# KiCad board Wish-Ender.kicad_pcb
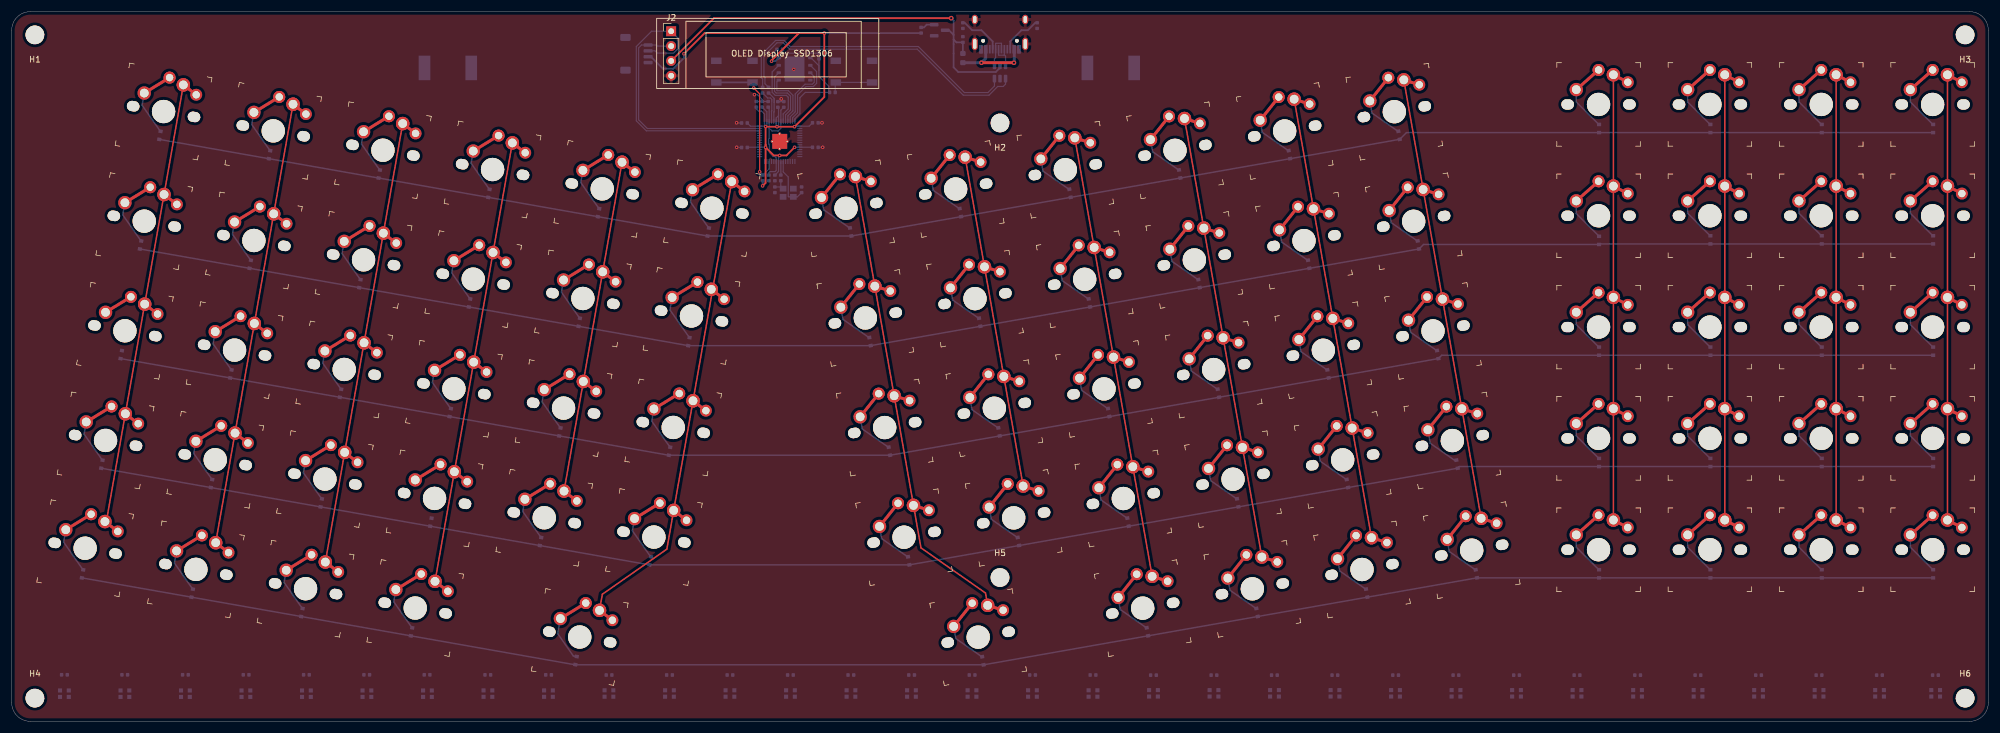
[diagram p0: board, top side]
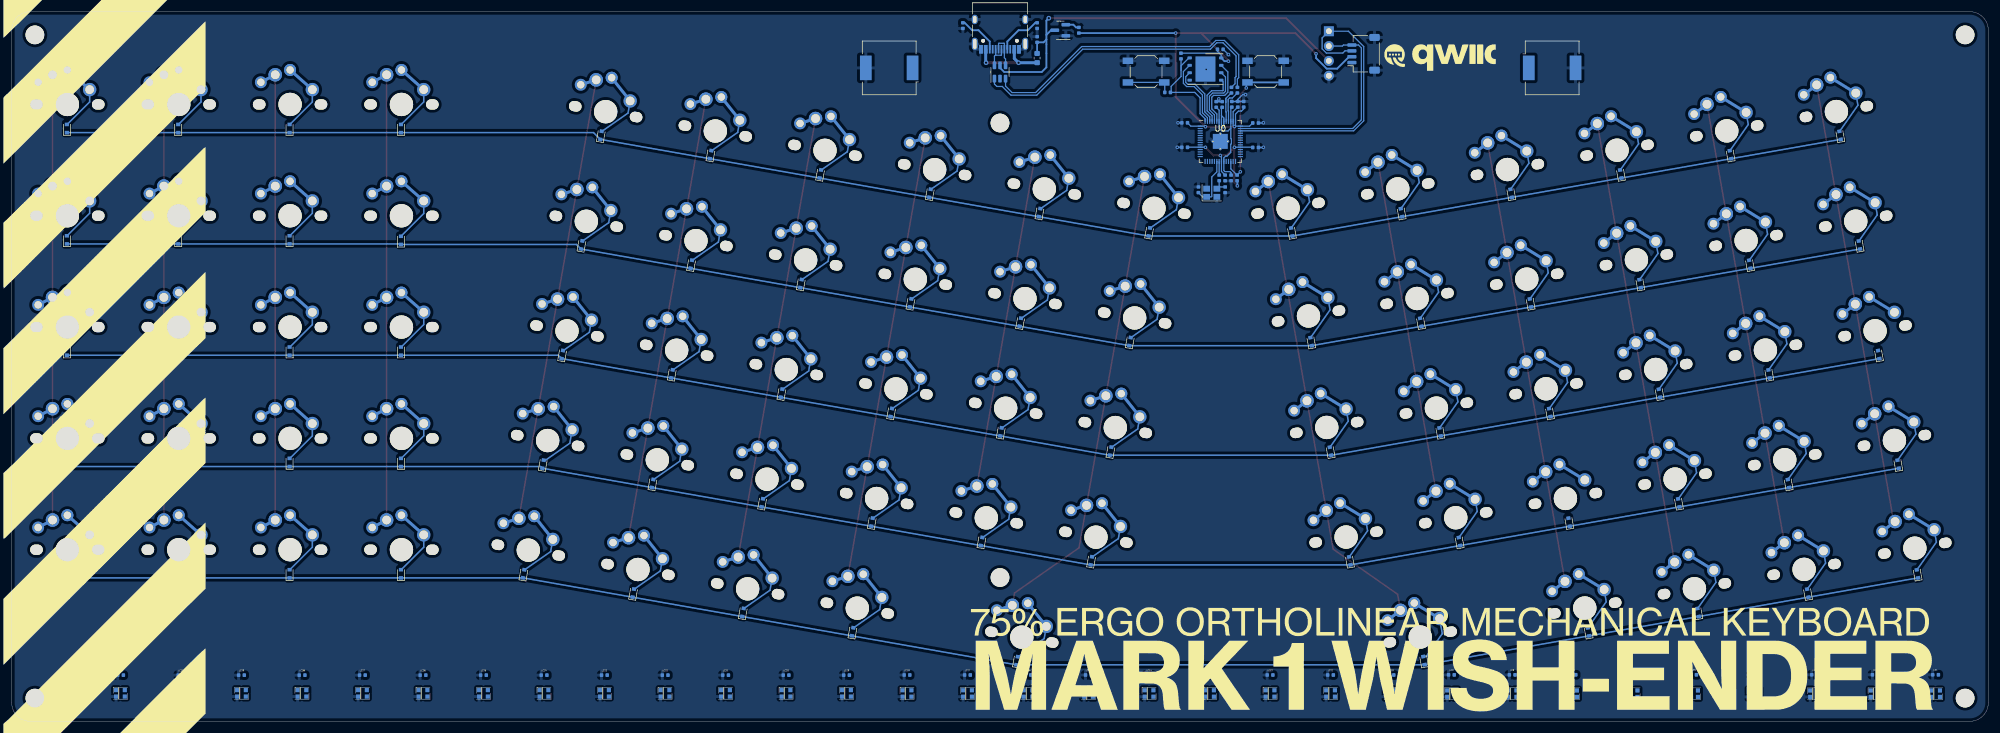
[diagram p1: board, bottom side, seen from below]

Outline 338.14 x 121.44 mm; copper layers: Top, Bottom. Coordinates in mm from the lower left corner of the outline.
Outline path: 0,118.27 0,3.17 arc(0.93,0.93) 3.18,0 334.96,0 arc(337.21,0.93) 338.14,3.17 338.14,118.27 arc(337.21,120.51) 334.96,121.44 3.18,121.44 arc(0.93,120.51) 0,118.27
Stack: Top 0.035mm / dielectric 1.51mm FR4 er 4.5 / Bottom 0.035mm

## Placement (name value [footprint] x y rotation side)
C1  1uf  [Passive_0402_1005Metric]  129.41 105.59 90 bottom
C2  100nF  [Passive_0402_1005Metric]  132.08 105.57 90 bottom
C3  100nF  [Passive_0402_1005Metric]  129.54 93 270 bottom
C4  100nF  [Passive_0402_1005Metric]  131.06 105.57 90 bottom
C5  100nF  [Passive_0402_1005Metric]  137.48 102.43 0 bottom
C6  100nF  [Passive_0402_1005Metric]  137.48 98.23 0 bottom
C7  100nF  [Passive_0402_1005Metric]  130.56 93 270 bottom
C8  100nF  [Passive_0402_1005Metric]  125.35 98.2 180 bottom
C9  100nF  [Passive_0402_1005Metric]  125.35 102.39 180 bottom
C10  100nF  [Passive_0402_1005Metric]  127.38 105.59 90 bottom
C11  1uf  [Passive_0402_1005Metric]  128.4 105.59 90 bottom
CF1  100nF  [Passive_0402_1005Metric]  131.38 115 180 bottom
CP1  1uf  [Passive_0402_1005Metric]  162.72 116.68 270 bottom
CP2  1uf  [Passive_0402_1005Metric]  155.57 118.27 90 bottom
CX1  13pf  [Passive_0402_1005Metric]  130.56 90.96 270 bottom
CX2  13pf  [Passive_0402_1005Metric]  135.13 90.96 270 bottom
D1  1N4148W-T4  [D_SOD-523]  25.35 100.28 80 bottom
D2  1N4148W-T4  [D_SOD-523]  44.11 96.97 80 bottom
D3  1N4148W-T4  [D_SOD-523]  62.87 93.66 80 bottom
D4  1N4148W-T4  [D_SOD-523]  81.64 90.36 80 bottom
D5  1N4148W-T4  [D_SOD-523]  100.4 87.05 80 bottom
D6  1N4148W-T4  [D_SOD-523]  119.16 83.74 80 bottom
D7  1N4148W-T4  [D_SOD-523]  143.53 83.75 100 bottom
D8  1N4148W-T4  [D_SOD-523]  162.29 87.06 100 bottom
D9  1N4148W-T4  [D_SOD-523]  181.05 90.37 100 bottom
D10  1N4148W-T4  [D_SOD-523]  199.81 93.67 100 bottom
D11  1N4148W-T4  [D_SOD-523]  218.57 96.98 100 bottom
D12  1N4148W-T4  [D_SOD-523]  237.33 100.29 100 bottom
D13  1N4148W-T4  [D_SOD-523]  271.55 101.45 90 bottom
D14  1N4148W-T4  [D_SOD-523]  290.6 101.45 90 bottom
D15  1N4148W-T4  [D_SOD-523]  309.65 101.45 90 bottom
D16  1N4148W-T4  [D_SOD-523]  328.7 101.45 90 bottom
D17  1N4148W-T4  [D_SOD-523]  22.05 81.52 80 bottom
D18  1N4148W-T4  [D_SOD-523]  40.81 78.21 80 bottom
D19  1N4148W-T4  [D_SOD-523]  59.57 74.9 80 bottom
D20  1N4148W-T4  [D_SOD-523]  78.33 71.6 80 bottom
D21  1N4148W-T4  [D_SOD-523]  97.09 68.29 80 bottom
D22  1N4148W-T4  [D_SOD-523]  115.85 64.98 80 bottom
D23  1N4148W-T4  [D_SOD-523]  146.83 64.99 100 bottom
D24  1N4148W-T4  [D_SOD-523]  165.59 68.3 100 bottom
D25  1N4148W-T4  [D_SOD-523]  184.36 71.6 100 bottom
D26  1N4148W-T4  [D_SOD-523]  203.12 74.91 100 bottom
D27  1N4148W-T4  [D_SOD-523]  221.88 78.22 100 bottom
D28  1N4148W-T4  [D_SOD-523]  240.64 81.53 100 bottom
D29  1N4148W-T4  [D_SOD-523]  271.55 82.31 90 bottom
D30  1N4148W-T4  [D_SOD-523]  290.6 82.4 90 bottom
D31  1N4148W-T4  [D_SOD-523]  309.65 82.4 90 bottom
D32  1N4148W-T4  [D_SOD-523]  328.7 82.4 90 bottom
D33  1N4148W-T4  [D_SOD-523]  18.74 62.76 80 bottom
D34  1N4148W-T4  [D_SOD-523]  37.5 59.45 80 bottom
D35  1N4148W-T4  [D_SOD-523]  56.26 56.14 80 bottom
D36  1N4148W-T4  [D_SOD-523]  75.02 52.84 80 bottom
D37  1N4148W-T4  [D_SOD-523]  93.78 49.53 80 bottom
D38  1N4148W-T4  [D_SOD-523]  112.54 46.22 80 bottom
D39  1N4148W-T4  [D_SOD-523]  150.14 46.23 100 bottom
D40  1N4148W-T4  [D_SOD-523]  168.9 49.54 100 bottom
D41  1N4148W-T4  [D_SOD-523]  187.66 52.84 100 bottom
D42  1N4148W-T4  [D_SOD-523]  206.42 56.15 100 bottom
D43  1N4148W-T4  [D_SOD-523]  225.18 59.46 100 bottom
D44  1N4148W-T4  [D_SOD-523]  243.94 62.77 100 bottom
D45  1N4148W-T4  [D_SOD-523]  271.55 63.35 90 bottom
D46  1N4148W-T4  [D_SOD-523]  290.6 63.35 90 bottom
D47  1N4148W-T4  [D_SOD-523]  309.65 63.35 90 bottom
D48  1N4148W-T4  [D_SOD-523]  328.7 63.35 90 bottom
D49  1N4148W-T4  [D_SOD-523]  15.43 44 80 bottom
D50  1N4148W-T4  [D_SOD-523]  34.19 40.69 80 bottom
D51  1N4148W-T4  [D_SOD-523]  52.95 37.38 80 bottom
D52  1N4148W-T4  [D_SOD-523]  71.71 34.07 80 bottom
D53  1N4148W-T4  [D_SOD-523]  90.47 30.77 80 bottom
D54  1N4148W-T4  [D_SOD-523]  109.23 27.46 80 bottom
D55  1N4148W-T4  [D_SOD-523]  153.45 27.47 100 bottom
D56  1N4148W-T4  [D_SOD-523]  172.21 30.78 100 bottom
D57  1N4148W-T4  [D_SOD-523]  190.97 34.08 100 bottom
D58  1N4148W-T4  [D_SOD-523]  209.73 37.39 100 bottom
D59  1N4148W-T4  [D_SOD-523]  228.49 40.7 100 bottom
D60  1N4148W-T4  [D_SOD-523]  247.25 44.01 100 bottom
D61  1N4148W-T4  [D_SOD-523]  271.55 44.3 90 bottom
D62  1N4148W-T4  [D_SOD-523]  290.6 44.3 90 bottom
D63  1N4148W-T4  [D_SOD-523]  309.65 44.3 90 bottom
D64  1N4148W-T4  [D_SOD-523]  328.7 44.3 90 bottom
D65  1N4148W-T4  [D_SOD-523]  12.12 25.24 80 bottom
D66  1N4148W-T4  [D_SOD-523]  30.88 21.93 80 bottom
D67  1N4148W-T4  [D_SOD-523]  49.64 18.62 80 bottom
D68  1N4148W-T4  [D_SOD-523]  68.4 15.31 80 bottom
D69  1N4148W-T4  [D_SOD-523]  96.55 10.39 80 bottom
D70  1N4148W-T4  [D_SOD-523]  166.14 10.36 100 bottom
D71  1N4148W-T4  [D_SOD-523]  194.28 15.32 100 bottom
D72  1N4148W-T4  [D_SOD-523]  213.04 18.63 100 bottom
D73  1N4148W-T4  [D_SOD-523]  231.8 21.94 100 bottom
D74  1N4148W-T4  [D_SOD-523]  250.56 25.25 100 bottom
D75  1N4148W-T4  [D_SOD-523]  271.55 25.25 90 bottom
D76  1N4148W-T4  [D_SOD-523]  290.6 25.25 90 bottom
D77  1N4148W-T4  [D_SOD-523]  309.65 25.25 90 bottom
D78  1N4148W-T4  [D_SOD-523]  328.7 25.25 90 bottom
F1  6v 500ma  [Fuse_0603_1608Metric]  162.72 113.51 90 bottom
G***  LOGO  [wish-ender]  91.72 9.02 180 bottom
G***#2  LOGO  [sweethaz]  322.26 65.09 180 bottom
G***#3  LOGO  [qwiic]  93.79 113.6 180 bottom
H1  Mount  [MountingHole_3.2mm_M3]  3.97 117.47 180 top
H2  Mount  [MountingHole_3.2mm_M3]  169.07 102.39 180 top
H3  Mount  [MountingHole_3.2mm_M3]  334.17 117.47 180 top
H4  Mount  [MountingHole_3.2mm_M3]  3.97 3.97 0 top
H5  Mount  [MountingHole_3.2mm_M3]  169.07 24.61 0 top
H6  Mount  [MountingHole_3.2mm_M3]  334.17 3.97 0 top
J1  USB  [USB_C_Receptacle_HRO_TYPE-C-31-M-12]  169.07 119.06 0 bottom
J2  I2C  [PinHeader_1x04_P2.54mm_Vertical]  112.81 118.1 0 top
J3  qwiic  [JST_SH_SM04B-SRSS-TB_1x04-1MP_P1.00mm_Horizontal]  106.87 114.24 90 bottom
K1  Keyswitch  [MX-Choc]  25.98 104.35 350 top
K2  Keyswitch  [MX-Choc]  44.74 101.04 350 top
K3  Keyswitch  [MX-Choc]  63.5 97.74 350 top
K4  Keyswitch  [MX-Choc]  82.27 94.43 350 top
K5  Keyswitch  [MX-Choc]  101.03 91.12 350 top
K6  Keyswitch  [MX-Choc]  119.79 87.81 350 top
K7  Keyswitch  [MX-Choc]  142.73 87.79 10 top
K8  Keyswitch  [MX-Choc]  161.49 91.1 10 top
K9  Keyswitch  [MX-Choc]  180.25 94.41 10 top
K10  Keyswitch  [MX-Choc]  199.01 97.72 10 top
K11  Keyswitch  [MX-Choc]  217.77 101.02 10 top
K12  Keyswitch  [MX-Choc]  236.53 104.33 10 top
K13  Keyswitch  [MX-Choc]  271.46 105.57 0 top
K14  Keyswitch  [MX-Choc]  290.51 105.57 0 top
K15  Keyswitch  [MX-Choc]  309.56 105.57 0 top
K16  Keyswitch  [MX-Choc]  328.61 105.57 0 top
K17  Keyswitch  [MX-Choc]  22.68 85.59 350 top
K18  Keyswitch  [MX-Choc]  41.44 82.28 350 top
K19  Keyswitch  [MX-Choc]  60.2 78.98 350 top
K20  Keyswitch  [MX-Choc]  78.96 75.67 350 top
K21  Keyswitch  [MX-Choc]  97.72 72.36 350 top
K22  Keyswitch  [MX-Choc]  116.29 69.37 350 top
K23  Keyswitch  [MX-Choc]  146.03 69.03 10 top
K24  Keyswitch  [MX-Choc]  164.79 72.34 10 top
K25  Keyswitch  [MX-Choc]  183.55 75.65 10 top
K26  Keyswitch  [MX-Choc]  202.32 78.95 10 top
K27  Keyswitch  [MX-Choc]  221.08 82.26 10 top
K28  Keyswitch  [MX-Choc]  239.84 85.57 10 top
K29  Keyswitch  [MX-Choc]  271.46 86.52 0 top
K30  Keyswitch  [MX-Choc]  290.51 86.52 0 top
K31  Keyswitch  [MX-Choc]  309.56 86.52 0 top
K32  Keyswitch  [MX-Choc]  328.61 86.52 0 top
K33  Keyswitch  [MX-Choc]  19.37 66.83 350 top
K34  Keyswitch  [MX-Choc]  38.13 63.52 350 top
K35  Keyswitch  [MX-Choc]  56.89 60.22 350 top
K36  Keyswitch  [MX-Choc]  75.65 56.91 350 top
K37  Keyswitch  [MX-Choc]  94.41 53.6 350 top
K38  Keyswitch  [MX-Choc]  113.17 50.29 350 top
K39  Keyswitch  [MX-Choc]  149.34 50.27 10 top
K40  Keyswitch  [MX-Choc]  168.1 53.58 10 top
K41  Keyswitch  [MX-Choc]  186.86 56.89 10 top
K42  Keyswitch  [MX-Choc]  205.62 60.19 10 top
K43  Keyswitch  [MX-Choc]  224.38 63.5 10 top
K44  Keyswitch  [MX-Choc]  243.14 66.81 10 top
K45  Keyswitch  [MX-Choc]  271.46 67.47 0 top
K46  Keyswitch  [MX-Choc]  290.51 67.47 0 top
K47  Keyswitch  [MX-Choc]  309.56 67.47 0 top
K48  Keyswitch  [MX-Choc]  328.61 67.47 0 top
K49  Keyswitch  [MX-Choc]  16.06 48.07 350 top
K50  Keyswitch  [MX-Choc]  34.82 44.76 350 top
K51  Keyswitch  [MX-Choc]  53.58 41.46 350 top
K52  Keyswitch  [MX-Choc]  72.34 38.15 350 top
K53  Keyswitch  [MX-Choc]  91.1 34.84 350 top
K54  Keyswitch  [MX-Choc]  109.86 31.53 350 top
K55  Keyswitch  [MX-Choc]  152.65 31.51 10 top
K56  Keyswitch  [MX-Choc]  171.41 34.82 10 top
K57  Keyswitch  [MX-Choc]  190.17 38.13 10 top
K58  Keyswitch  [MX-Choc]  208.93 41.43 10 top
K59  Keyswitch  [MX-Choc]  227.69 44.74 10 top
K60  Keyswitch  [MX-Choc]  246.45 48.05 10 top
K61  Keyswitch  [MX-Choc]  271.46 48.42 0 top
K62  Keyswitch  [MX-Choc]  290.51 48.42 0 top
K63  Keyswitch  [MX-Choc]  309.56 48.42 0 top
K64  Keyswitch  [MX-Choc]  328.61 48.42 0 top
K65  Keyswitch  [MX-Choc]  12.57 29.63 350 top
K66  Keyswitch  [MX-Choc]  31.51 26 350 top
K67  Keyswitch  [MX-Choc]  50.27 22.69 350 top
K68  Keyswitch  [MX-Choc]  69.03 19.39 350 top
K69  Keyswitch  [MX-Choc]  97.17 14.42 350 top
K70  Keyswitch  [MX-Choc]  165.34 14.4 10 top
K71  Keyswitch  [MX-Choc]  193.48 19.37 10 top
K72  Keyswitch  [MX-Choc]  212.24 22.67 10 top
K73  Keyswitch  [MX-Choc]  231 25.98 10 top
K74  Keyswitch  [MX-Choc]  249.76 29.29 10 top
K75  Keyswitch  [MX-Choc]  271.46 29.37 0 top
K76  Keyswitch  [MX-Choc]  290.51 29.37 0 top
K77  Keyswitch  [MX-Choc]  309.56 29.37 0 top
K78  Keyswitch  [MX-Choc]  328.61 29.37 0 top
LC1  100nF  [Passive_0402_1005Metric]  9.02 7.96 180 bottom
LC2  100nF  [Passive_0402_1005Metric]  19.34 7.96 180 bottom
LC3  100nF  [Passive_0402_1005Metric]  29.72 7.96 180 bottom
LC4  100nF  [Passive_0402_1005Metric]  40.1 7.96 180 bottom
LC5  100nF  [Passive_0402_1005Metric]  50.42 7.96 180 bottom
LC6  100nF  [Passive_0402_1005Metric]  60.74 7.96 180 bottom
LC7  100nF  [Passive_0402_1005Metric]  71.05 7.96 180 bottom
LC8  100nF  [Passive_0402_1005Metric]  81.45 7.95 180 bottom
LC9  100nF  [Passive_0402_1005Metric]  91.84 7.95 180 bottom
LC10  100nF  [Passive_0402_1005Metric]  102.19 7.92 180 bottom
LC11  100nF  [Passive_0402_1005Metric]  112.53 7.92 180 bottom
LC12  100nF  [Passive_0402_1005Metric]  122.87 7.92 180 bottom
LC13  100nF  [Passive_0402_1005Metric]  133.21 7.92 180 bottom
LC14  100nF  [Passive_0402_1005Metric]  143.56 7.92 180 bottom
LC15  100nF  [Passive_0402_1005Metric]  153.95 7.92 180 bottom
LC16  100nF  [Passive_0402_1005Metric]  164.29 7.92 180 bottom
LC17  100nF  [Passive_0402_1005Metric]  174.64 7.92 180 bottom
LC18  100nF  [Passive_0402_1005Metric]  184.98 7.92 180 bottom
LC19  100nF  [Passive_0402_1005Metric]  195.32 7.9 180 bottom
LC20  100nF  [Passive_0402_1005Metric]  205.67 7.9 180 bottom
LC21  100nF  [Passive_0402_1005Metric]  216.01 7.9 180 bottom
LC22  100nF  [Passive_0402_1005Metric]  226.35 7.9 180 bottom
LC23  100nF  [Passive_0402_1005Metric]  236.75 7.9 180 bottom
LC24  100nF  [Passive_0402_1005Metric]  247.06 7.9 180 bottom
LC25  100nF  [Passive_0402_1005Metric]  257.43 7.9 180 bottom
LC26  100nF  [Passive_0402_1005Metric]  267.78 7.9 180 bottom
LC27  100nF  [Passive_0402_1005Metric]  278.14 7.9 180 bottom
LC28  100nF  [Passive_0402_1005Metric]  288.46 7.9 180 bottom
LC29  100nF  [Passive_0402_1005Metric]  298.83 7.9 180 bottom
LC30  100nF  [Passive_0402_1005Metric]  309.17 7.9 180 bottom
LC31  100nF  [Passive_0402_1005Metric]  319.52 7.9 180 bottom
LC32  100nF  [Passive_0402_1005Metric]  329.1 7.9 180 bottom
LD1  WS2812C-2020  [WS2812B_2020]  9.02 4.72 0 bottom
LD2  WS2812C-2020  [WS2812B_2020]  19.37 4.72 0 bottom
LD3  WS2812C-2020  [WS2812B_2020]  29.72 4.72 0 bottom
LD4  WS2812C-2020  [WS2812B_2020]  40.07 4.72 0 bottom
LD5  WS2812C-2020  [WS2812B_2020]  50.42 4.72 0 bottom
LD6  WS2812C-2020  [WS2812B_2020]  60.77 4.72 0 bottom
LD7  WS2812C-2020  [WS2812B_2020]  71.12 4.72 0 bottom
LD8  WS2812C-2020  [WS2812B_2020]  81.47 4.74 0 bottom
LD9  WS2812C-2020  [WS2812B_2020]  91.82 4.74 0 bottom
LD10  WS2812C-2020  [WS2812B_2020]  102.17 4.76 0 bottom
LD11  WS2812C-2020  [WS2812B_2020]  112.52 4.76 0 bottom
LD12  WS2812C-2020  [WS2812B_2020]  122.87 4.76 0 bottom
LD13  WS2812C-2020  [WS2812B_2020]  133.22 4.76 0 bottom
LD14  WS2812C-2020  [WS2812B_2020]  143.57 4.76 0 bottom
LD15  WS2812C-2020  [WS2812B_2020]  153.92 4.76 0 bottom
LD16  WS2812C-2020  [WS2812B_2020]  164.27 4.76 0 bottom
LD17  WS2812C-2020  [WS2812B_2020]  174.62 4.76 0 bottom
LD18  WS2812C-2020  [WS2812B_2020]  184.98 4.76 0 bottom
LD19  WS2812C-2020  [WS2812B_2020]  195.33 4.79 0 bottom
LD20  WS2812C-2020  [WS2812B_2020]  205.68 4.79 0 bottom
LD21  WS2812C-2020  [WS2812B_2020]  216.03 4.79 0 bottom
LD22  WS2812C-2020  [WS2812B_2020]  226.38 4.79 0 bottom
LD23  WS2812C-2020  [WS2812B_2020]  236.73 4.79 0 bottom
LD24  WS2812C-2020  [WS2812B_2020]  247.08 4.79 0 bottom
LD25  WS2812C-2020  [WS2812B_2020]  257.43 4.79 0 bottom
LD26  WS2812C-2020  [WS2812B_2020]  267.78 4.79 0 bottom
LD27  WS2812C-2020  [WS2812B_2020]  278.13 4.79 0 bottom
LD28  WS2812C-2020  [WS2812B_2020]  288.48 4.79 0 bottom
LD29  WS2812C-2020  [WS2812B_2020]  298.83 4.79 0 bottom
LD30  WS2812C-2020  [WS2812B_2020]  309.18 4.79 0 bottom
LD31  WS2812C-2020  [WS2812B_2020]  319.53 4.79 0 bottom
LD32  WS2812C-2020  [WS2812B_2020]  329.13 4.79 0 bottom
RC1  5k1  [Passive_0402_1005Metric]  175.42 119.06 90 bottom
RC2  5k1  [Passive_0402_1005Metric]  162.72 119.06 270 bottom
RD1  27.4  [Passive_0402_1005Metric]  129.48 108.01 270 bottom
RD2  27.4  [Passive_0402_1005Metric]  128.46 108.01 270 bottom
RF1  1k  [Passive_0402_1005Metric]  138.11 113.86 270 bottom
RF2  1k  [Passive_0402_1005Metric]  140.4 107.63 0 bottom
RR1  1k  [Passive_0402_1005Metric]  128.51 93 90 bottom
RX1  1k  [Passive_0402_1005Metric]  131.57 93 270 bottom
S1  RESET  [SW_SPST_SKQG_WithoutStem]  123.63 111.19 180 bottom
S2  USB BOOT  [SW_SPST_SKQG_WithoutStem]  144.08 111.19 180 bottom
TX1  Transducer  [Buzzer_CUI_CPT-9019S-SMT]  188.02 111.82 0 bottom
TX2  Transducer  [Buzzer_CUI_CPT-9019S-SMT]  74.61 111.82 180 bottom
U0  -  [RP2040]  131.38 99.25 180 bottom
U1  LDO-3.3  [SOT-23]  158.75 118.27 0 bottom
U2  W25Q128JVS  [WSON-8-1EP_6x5mm_P1.27mm_EP3.4x4.3mm]  133.92 111.63 180 bottom
U3  USBLC6-2SC6  [SOT-23-6]  169.07 111.12 90 bottom
Y1  2TJ412000NYGBC 12MHz  [Crystal_SMD_2520-4Pin_2.5x2.0mm]  132.84 90.46 180 bottom

## Library data of the parts
C1 = -: LCSC: C52923
C2-C8 = -: LCSC: C1525
C9 C10 CF1 = -: LCSC: C1525; Field5: REF**
C11 CP1 CP2 = -: LCSC: C52923; Field5: REF**
CX1 CX2 = -: LCSC: C48936; Field5: REF**
D1-D78 = -: LCSC: C68948
F1 = -: LCSC: C207011
J1 = -: LCSC: C167321
J3 = -: LCSC: C145956
LC1-LC32 = -: LCSC: C307331
LD1-LD32 = -: LCSC: C965556
RC1 RC2 RF1 RF2 RR1 RX1 = -: LCSC: C25905; Field5: REF**
RD1 RD2 = -: LCSC: C172043; Field5: REF**
S1 S2 = -: LCSC: C139779
TX1 TX2 = -: LCSC: C391035
U0 = -: LCSC: C2040
U1 = -: LCSC: C83932
U2 = -: LCSC: C190862
U3 = -: LCSC: C2827654
Y1 = -: LCSC: C2149205

## Footprints (pads in the part's own frame, mm; a bottom-side part is the same pattern mirrored in y, then rotated)
Buzzer_CUI_CPT-9019S-SMT
  rect 2x4.2 smd: 1(-4,0) 2(4,0)
Crystal_SMD_2520-4Pin_2.5x2.0mm
  rect 1.15x1 smd: 1(-0.875,-0.7) 2(0.875,-0.7) 3(0.875,0.7) 4(-0.875,0.7)
D_SOD-523
  rect 0.6x0.7 smd: 1(-0.7,0) 2(0.7,0)
Fuse_0603_1608Metric
  rrect 0.875x0.95 smd: 1(-0.787,0) 2(0.787,0)
JST_SH_SM04B-SRSS-TB_1x04-1MP_P1.00mm_Horizontal
  rrect 0.6x1.55 smd: 1(-1.5,2) 2(-0.5,2) 3(0.5,2) 4(1.5,2)
  rrect 1.2x1.8 smd: MP(-2.8,-1.875) MP(2.8,-1.875)
MountingHole_3.2mm_M3
  round 3.2 hole 3.2 unplated: (0,0)
MX-Choc
  oval 2.15x1.75 hole 2.15x1.75 unplated: (-5.283,0) (5.283,0)
  round 3.988 hole 3.988 unplated: (0,0)
  round 2.286 smd: 1(2.54,5.08)
  round 2.286 smd far side: 1(2.54,5.08)
  custom 3.853x2.673 hole 1.499: 1(2.54,5.08)
  round 2.032 hole 1.27: 1(5,3.8)
  round 2.286 hole 1.499: 2(-3.81,2.54)
  round 2.032 smd: 2(0,5.9)
  round 2.032 smd far side: 2(0,5.9)
  custom 5.076x4.626 hole 1.27: 2(0,5.9)
Passive_0402_1005Metric
  rrect 0.59x0.64 smd: 1(-0.485,0) 2(0.485,0)
PinHeader_1x04_P2.54mm_Vertical
  rect 1.7x1.7 hole 1: 1(0,0)
  oval 1.7x1.7 hole 1: 2(0,-2.54) 3(0,-5.08) 4(0,-7.62)
RP2040
  rrect 1.084x1.084 smd: (-0.637,-0.637) (-0.637,0.637) (0.637,-0.637) (0.637,0.637)
  rrect 0.875x0.2 smd: 1(-3.438,2.6) 2(-3.438,2.2) 3(-3.438,1.8) 4(-3.438,1.4) 5(-3.438,1) 6(-3.438,0.6) 7(-3.438,0.2) 8(-3.438,-0.2) 9(-3.438,-0.6) 10(-3.438,-1) 11(-3.438,-1.4) 12(-3.438,-1.8) 13(-3.438,-2.2) 14(-3.438,-2.6) 29(3.438,-2.6) 30(3.438,-2.2) 31(3.438,-1.8) 32(3.438,-1.4) 33(3.438,-1) 34(3.438,-0.6) 35(3.438,-0.2) 36(3.438,0.2) 37(3.438,0.6) 38(3.438,1) 39(3.438,1.4) 40(3.438,1.8) 41(3.438,2.2) 42(3.438,2.6)
  rrect 0.2x0.875 smd: 15(-2.6,-3.438) 16(-2.2,-3.438) 17(-1.8,-3.438) 18(-1.4,-3.438) 19(-1,-3.438) 20(-0.6,-3.438) 21(-0.2,-3.438) 22(0.2,-3.438) 23(0.6,-3.438) 24(1,-3.438) 25(1.4,-3.438) 26(1.8,-3.438) 27(2.2,-3.438) 28(2.6,-3.438) 43(2.6,3.438) 44(2.2,3.438) 45(1.8,3.438) 46(1.4,3.438) 47(1,3.438) 48(0.6,3.438) 49(0.2,3.438) 50(-0.2,3.438) 51(-0.6,3.438) 52(-1,3.438) 53(-1.4,3.438) 54(-1.8,3.438) 55(-2.2,3.438) 56(-2.6,3.438)
  round 0.5 hole 0.2: 57(-1.275,0) 57(0,-1.275) 57(0,1.275) 57(1.275,0)
  rect 2.55x2.55 smd far side: 57(0,0)
  rect 2.55x2.55 smd: 57(0,0)
SOT-23
  rrect 1.475x0.6 smd: 1(-0.938,0.95) 2(-0.938,-0.95) 3(0.938,0)
SOT-23-6
  rrect 1.325x0.6 smd: 1(-1.137,0.95) 2(-1.137,0) 3(-1.137,-0.95) 4(1.137,-0.95) 5(1.137,0) 6(1.137,0.95)
SW_SPST_SKQG_WithoutStem
  rect 1.8x1.1 smd: 1(-3.1,1.85) 1(3.1,1.85) 2(-3.1,-1.85) 2(3.1,-1.85)
USB_C_Receptacle_HRO_TYPE-C-31-M-12
  round 0.65 hole 0.65 unplated: (-2.89,2.6) (2.89,2.6)
  rect 0.6x1.45 smd: A1(-3.25,4.045) A4(-2.45,4.045) A9(2.45,4.045) A12(3.25,4.045) B1(3.25,4.045) B4(2.45,4.045) B9(-2.45,4.045) B12(-3.25,4.045)
  rect 0.3x1.45 smd: A5(-1.25,4.045) A6(-0.25,4.045) A7(0.25,4.045) A8(1.25,4.045) B5(1.75,4.045) B6(0.75,4.045) B7(-0.75,4.045) B8(-1.75,4.045)
  oval 1x1.6 hole 0.6x1.2: S1(-4.32,-1.05) S1(4.32,-1.05)
  oval 1x2.1 hole 0.6x1.7: S1(-4.32,3.13) S1(4.32,3.13)
WS2812B_2020
  rect 0.7x0.7 smd: 1(0.75,-0.55) 2(0.75,0.55) 3(-0.75,0.55) 4(-0.75,-0.55)
WSON-8-1EP_6x5mm_P1.27mm_EP3.4x4.3mm
  rrect 1.37x1.73 smd: (-0.85,-1.075) (-0.85,1.075) (0.85,-1.075) (0.85,1.075)
  rrect 0.75x0.5 smd: 1(-2.7,1.905) 2(-2.7,0.635) 3(-2.7,-0.635) 4(-2.7,-1.905) 5(2.7,-1.905) 6(2.7,-0.635) 7(2.7,0.635) 8(2.7,1.905)
  rect 3.4x4.3 smd: 9(0,0)

## Nets
+1V1: C1.1 C2.1 C3.1 U0.23 U0.45 U0.50
+3V3: C4.1 C5.1 C6.1 C7.1 C8.1 C9.1 C10.1 C11.1 CF1.1 CP2.1 J3.2 RF1.1 RR1.1 U0.1 U0.10 U0.22 U0.33 U0.42 U0.43 U0.44 U0.48 U0.49 U1.2 U2.8
GND: C1.2 C2.2 C3.2 C4.2 C5.2 C6.2 C7.2 C8.2 C9.2 C10.2 C11.2 CF1.2 CP1.1 CP2.2 CX1.2 CX2.1 J1.A1 J1.A12 J1.B1 J1.B12 J1.S1 J2.4 J3.1 J3.MP LC1.1 LC2.1 LC3.1 LC4.1 LC5.1 LC6.1 LC7.1 LC8.1 LC9.1 LC10.1 LC11.1 LC12.1 LC13.1 LC14.1 LC15.1 LC16.1 LC17.1 LC18.1 LC19.1 LC20.1 LC21.1 LC22.1 LC23.1 LC24.1 LC25.1 LC26.1 LC27.1 LC28.1 LC29.1 LC30.1 LC31.1 LC32.1 LD1.2 LD2.2 LD3.2 LD4.2 LD5.2 LD6.2 LD7.2 LD8.2 LD9.2 LD10.2 LD11.2 LD12.2 LD13.2 LD14.2 LD15.2 LD16.2 LD17.2 LD18.2 LD19.2 LD20.2 LD21.2 LD22.2 LD23.2 LD24.2 LD25.2 LD26.2 LD27.2 LD28.2 LD29.2 LD30.2 LD31.2 LD32.2 RC1.1 RC2.2 S1.1 S2.1 TX1.2 TX2.2 U0.19 U0.57 U1.1 U2.4 U2.9 U3.2 Y1.2 Y1.4
VBUS: CP1.2 F1.2 J2.3 LC1.2 LC2.2 LC3.2 LC4.2 LC5.2 LC6.2 LC7.2 LC8.2 LC9.2 LC10.2 LC11.2 LC12.2 LC13.2 LC14.2 LC15.2 LC16.2 LC17.2 LC18.2 LC19.2 LC20.2 LC21.2 LC22.2 LC23.2 LC24.2 LC25.2 LC26.2 LC27.2 LC28.2 LC29.2 LC30.2 LC31.2 LC32.2 LD1.4 LD2.4 LD3.4 LD4.4 LD5.4 LD6.4 LD7.4 LD8.4 LD9.4 LD10.4 LD11.4 LD12.4 LD13.4 LD14.4 LD15.4 LD16.4 LD17.4 LD18.4 LD19.4 LD20.4 LD21.4 LD22.4 LD23.4 LD24.4 LD25.4 LD26.4 LD27.4 LD28.4 LD29.4 LD30.4 LD31.4 LD32.4 U1.3 U3.5
0: U0.2
1: U0.3
2: U0.4
3: U0.5
4: U0.6
5: U0.7
6: U0.8
7: U0.9
8: U0.11
9: U0.12
10: U0.13
11: U0.14
12: U0.15
13: U0.16
14: U0.17
15: U0.18
16: U0.27
17: U0.28
18: U0.29
19: U0.30
20: U0.31
21: U0.32
22: U0.34
23: U0.35
24: U0.36
25: U0.37
26/A0: U0.38
27/A1: U0.39
28/A2: J2.1 J3.3 U0.40
29/A3: J2.2 J3.4 U0.41
AUDIO+: TX1.1
AUDIO-: TX2.1
CLOCK: U0.52 U2.6
col0: K1.1 K17.1 K33.1 K49.1 K65.1
col1: K2.1 K18.1 K34.1 K50.1 K66.1
col2: K3.1 K19.1 K35.1 K51.1 K67.1
col3: K4.1 K20.1 K36.1 K52.1 K68.1
col4: K5.1 K21.1 K37.1 K53.1
col5: K6.1 K22.1 K38.1 K54.1 K69.1
col6: K7.1 K23.1 K39.1 K55.1 K70.1
col7: K8.1 K24.1 K40.1 K56.1
col8: K9.1 K25.1 K41.1 K57.1 K71.1
col9: K10.1 K26.1 K42.1 K58.1 K72.1
colA: K11.1 K27.1 K43.1 K59.1 K73.1
colB: K12.1 K28.1 K44.1 K60.1 K74.1
colC: K13.1 K29.1 K45.1 K61.1 K75.1
colD: K14.1 K30.1 K46.1 K62.1 K76.1
colE: K15.1 K31.1 K47.1 K63.1 K77.1
colF: K16.1 K32.1 K48.1 K64.1 K78.1
CS: RF1.2 RF2.1 U0.56 U2.1
D+: J1.A6 J1.B6 U3.6
D-: J1.A7 J1.B7 U3.4
DB+: RD1.1 U3.1
DB-: RD2.1 U3.3
DR+: RD1.2 U0.47
DR-: RD2.2 U0.46
LED: LD1.3
row0: D1.1 D2.1 D3.1 D4.1 D5.1 D6.1 D7.1 D8.1 D9.1 D10.1 D11.1 D12.1 D13.1 D14.1 D15.1 D16.1
row1: D17.1 D18.1 D19.1 D20.1 D21.1 D22.1 D23.1 D24.1 D25.1 D26.1 D27.1 D28.1 D29.1 D30.1 D31.1 D32.1
row2: D33.1 D34.1 D35.1 D36.1 D37.1 D38.1 D39.1 D40.1 D41.1 D42.1 D43.1 D44.1 D45.1 D46.1 D47.1 D48.1
row3: D49.1 D50.1 D51.1 D52.1 D53.1 D54.1 D55.1 D56.1 D57.1 D58.1 D59.1 D60.1 D61.1 D62.1 D63.1 D64.1
row4: D65.1 D66.1 D67.1 D68.1 D69.1 D70.1 D71.1 D72.1 D73.1 D74.1 D75.1 D76.1 D77.1 D78.1
SD0: U0.53 U2.5
SD1: U0.55 U2.2
SD2: U0.54 U2.3
SD3: U0.51 U2.7
vUSB: F1.1 J1.A4 J1.A9 J1.B4 J1.B9
XIN: CX2.2 U0.20 Y1.1
XOUT: RX1.1 U0.21
XOUT1: CX1.1 RX1.2 Y1.3
~{RESET}: RR1.2 S1.2 U0.26
Net-(D1-Pad2): D1.2 K1.2
Net-(D2-Pad2): D2.2 K2.2
Net-(D3-Pad2): D3.2 K3.2
Net-(D4-Pad2): D4.2 K4.2
Net-(D5-Pad2): D5.2 K5.2
Net-(D6-Pad2): D6.2 K6.2
Net-(D7-Pad2): D7.2 K7.2
Net-(D8-Pad2): D8.2 K8.2
Net-(D9-Pad2): D9.2 K9.2
Net-(D10-Pad2): D10.2 K10.2
Net-(D11-Pad2): D11.2 K11.2
Net-(D12-Pad2): D12.2 K12.2
Net-(D13-Pad2): D13.2 K13.2
Net-(D14-Pad2): D14.2 K14.2
Net-(D15-Pad2): D15.2 K15.2
Net-(D16-Pad2): D16.2 K16.2
Net-(D17-Pad2): D17.2 K17.2
Net-(D18-Pad2): D18.2 K18.2
Net-(D19-Pad2): D19.2 K19.2
Net-(D20-Pad2): D20.2 K20.2
Net-(D21-Pad2): D21.2 K21.2
Net-(D22-Pad2): D22.2 K22.2
Net-(D23-Pad2): D23.2 K23.2
Net-(D24-Pad2): D24.2 K24.2
Net-(D25-Pad2): D25.2 K25.2
Net-(D26-Pad2): D26.2 K26.2
Net-(D27-Pad2): D27.2 K27.2
Net-(D28-Pad2): D28.2 K28.2
Net-(D29-Pad2): D29.2 K29.2
Net-(D30-Pad2): D30.2 K30.2
Net-(D31-Pad2): D31.2 K31.2
Net-(D32-Pad2): D32.2 K32.2
Net-(D33-Pad2): D33.2 K33.2
Net-(D34-Pad2): D34.2 K34.2
Net-(D35-Pad2): D35.2 K35.2
Net-(D36-Pad2): D36.2 K36.2
Net-(D37-Pad2): D37.2 K37.2
Net-(D38-Pad2): D38.2 K38.2
Net-(D39-Pad2): D39.2 K39.2
Net-(D40-Pad2): D40.2 K40.2
Net-(D41-Pad2): D41.2 K41.2
Net-(D42-Pad2): D42.2 K42.2
Net-(D43-Pad2): D43.2 K43.2
Net-(D44-Pad2): D44.2 K44.2
Net-(D45-Pad2): D45.2 K45.2
Net-(D46-Pad2): D46.2 K46.2
Net-(D47-Pad2): D47.2 K47.2
Net-(D48-Pad2): D48.2 K48.2
Net-(D49-Pad2): D49.2 K49.2
Net-(D50-Pad2): D50.2 K50.2
Net-(D51-Pad2): D51.2 K51.2
Net-(D52-Pad2): D52.2 K52.2
Net-(D53-Pad2): D53.2 K53.2
Net-(D54-Pad2): D54.2 K54.2
Net-(D55-Pad2): D55.2 K55.2
Net-(D56-Pad2): D56.2 K56.2
Net-(D57-Pad2): D57.2 K57.2
Net-(D58-Pad2): D58.2 K58.2
Net-(D59-Pad2): D59.2 K59.2
Net-(D60-Pad2): D60.2 K60.2
Net-(D61-Pad2): D61.2 K61.2
Net-(D62-Pad2): D62.2 K62.2
Net-(D63-Pad2): D63.2 K63.2
Net-(D64-Pad2): D64.2 K64.2
Net-(D65-Pad2): D65.2 K65.2
Net-(D66-Pad2): D66.2 K66.2
Net-(D67-Pad2): D67.2 K67.2
Net-(D68-Pad2): D68.2 K68.2
Net-(D69-Pad2): D69.2 K69.2
Net-(D70-Pad2): D70.2 K70.2
Net-(D71-Pad2): D71.2 K71.2
Net-(D72-Pad2): D72.2 K72.2
Net-(D73-Pad2): D73.2 K73.2
Net-(D74-Pad2): D74.2 K74.2
Net-(D75-Pad2): D75.2 K75.2
Net-(D76-Pad2): D76.2 K76.2
Net-(D77-Pad2): D77.2 K77.2
Net-(D78-Pad2): D78.2 K78.2
Net-(J1-PadA5): J1.A5 RC2.1
Net-(J1-PadB5): J1.B5 RC1.2
Net-(LD1-Pad1): LD1.1 LD2.3
Net-(LD2-Pad1): LD2.1 LD3.3
Net-(LD3-Pad1): LD3.1 LD4.3
Net-(LD4-Pad1): LD4.1 LD5.3
Net-(LD5-Pad1): LD5.1 LD6.3
Net-(LD6-Pad1): LD6.1 LD7.3
Net-(LD7-Pad1): LD7.1 LD8.3
Net-(LD8-Pad1): LD8.1 LD9.3
Net-(LD10-Pad1): LD10.1 LD11.3
Net-(LD10-Pad3): LD9.1 LD10.3
Net-(LD11-Pad1): LD11.1 LD12.3
Net-(LD12-Pad1): LD12.1 LD13.3
Net-(LD13-Pad1): LD13.1 LD14.3
Net-(LD14-Pad1): LD14.1 LD15.3
Net-(LD15-Pad1): LD15.1 LD16.3
Net-(LD16-Pad1): LD16.1 LD17.3
Net-(LD17-Pad1): LD17.1 LD18.3
Net-(LD18-Pad1): LD18.1 LD19.3
Net-(LD19-Pad1): LD19.1 LD20.3
Net-(LD20-Pad1): LD20.1 LD21.3
Net-(LD21-Pad1): LD21.1 LD22.3
Net-(LD22-Pad1): LD22.1 LD23.3
Net-(LD23-Pad1): LD23.1 LD24.3
Net-(LD24-Pad1): LD24.1 LD25.3
Net-(LD25-Pad1): LD25.1 LD26.3
Net-(LD26-Pad1): LD26.1 LD27.3
Net-(LD27-Pad1): LD27.1 LD28.3
Net-(LD28-Pad1): LD28.1 LD29.3
Net-(LD29-Pad1): LD29.1 LD30.3
Net-(LD30-Pad1): LD30.1 LD31.3
Net-(LD31-Pad1): LD31.1 LD32.3
Net-(RF2-Pad2): RF2.2 S2.2

Pads without a net: J1 A8 B8; LD32 1; U0 24 25

## Via types
v1: diameter 0.6, hole 0.3, Top to Bottom, 20 vias
v2: diameter 0.8, hole 0.4, Top to Bottom, 3 vias

## Routing (per net, layer and track width the routed paths; a pad name or vN(x,y) marks a point on that pad's centre or on a via; arc(x,y) is an arc through that point)
+1V1: length 19.6
  Bottom w0.2: C2.1 131.58,104.59 U0.50 131.58,101.48 131.13,101.03 130.07,101.03 129.58,101.51 ; 129.58,101.51 U0.45 129.58,104.94 C1.1 ; 129.58,101.51 129.58,99.74 129.48,99.63 129.48,98.87 129.6,98.74 129.6,97.35 130.24,96.71 130.49,96.71 130.78,96.42 U0.23 130.78,94.27 130.59,94.08 129.73,94.08 129.54,93.88 C3.1
+3V3: length 140.7
  Top w0.3: v1(129.98,112.97) 129.98,113.09 134.67,117.78 ; 128.97,98.62 v1(128.97,98.23) 130.37,96.84 v1(131.38,96.84) 132.52,96.84 v1(133.92,98.23) ; 128.97,98.62 128.97,92.14 v1(128.46,91.63) ; 128.97,98.62 v1(128.97,101.79) 129.01,101.75 v1(130.91,101.75) v1(133.92,101.75) 139.01,106.84 v1(139.01,117.78) 134.67,117.78 ; v1(115,114.24) 118.55,117.78 134.67,117.78
  Bottom w0.2: U2.8 131.22,114.02 131.48,114.27 ; 131.18,103.65 U0.49 131.18,102.02 v1(130.91,101.75) 130.78,101.88 U0.48 130.78,103.25 131.18,103.65 ; 131.18,103.65 131.18,104.97 C4.1 ; C5.1 136.42,101.85 U0.1 134.02,101.85 v1(133.92,101.75) ; v1(133.92,98.23) 133.94,98.25 U0.10 136.98,98.25 C6.1 ; v1(128.97,101.79) 128.78,101.98 U0.43 128.78,103.91 128.27,104.43 127.76,104.43 127.38,104.81 C10.1 ; v1(128.97,101.79) 128.91,101.85 U0.42 126.38,101.85 C9.1 ; v1(128.97,101.79) 129.18,102 U0.44 129.18,104.32 C11.1 ; RF1.1 131.55,114.34 131.48,114.27 ; C8.1 125.88,98.25 U0.33 128.95,98.25 v1(128.97,98.23) ; C7.1 131.18,94.11 U0.22 131.18,96.64 v1(131.38,96.84) ; 131.48,114.27 131.87,114.66 CF1.1
  Bottom w0.3: U2.8 130.65,112.97 v1(129.98,112.97) ; RR1.1 128.46,92.46 v1(128.46,91.63) ; v1(115,114.24) 115,113.51 113.18,111.7 111.39,111.7 109.35,113.74 J3.2 ; CP2.1 v1(139.01,117.78) ; U1.2 156.53,119.22 156.06,118.75 155.57,118.75
GND: length 10
  Bottom w0.2: 131.58,106.05 C4.2 ; 131.58,106.05 131.58,106.47 v1(131.64,106.53) ; 131.58,106.05 C2.2 ; C11.2 128.4,106.43 127.57,107.25 v1(127.06,107.25) ; C6.2 v1(138.75,98.23) ; CF1.2 130.87,115 v1(129.98,114.11) ; C5.2 v1(138.62,102.43) ; v1(124.02,102.43) 124.05,102.39 C9.2 ; C1.2 C10.2 ; v1(124.02,98.23) 124.05,98.2 C8.2
  vias: v1(133.79,111.57)
VBUS: length 74
  Top w0.3: J2.3 120.12,120.33 v2(160.72,120.33)
  Bottom w0.3: 161.13,116.68 161.62,116.2 CP1.2 F1.2 ; 161.13,116.68 161.13,117.47 ; 161.13,116.68 161.13,111.92 161.93,111.12 168.35,111.12 169.07,111.84 169.07,112.26 ; 161.13,117.47 161.13,119.92 v2(160.72,120.33) ; 161.13,117.47 160.34,118.27 U1.3
28/A2: length 50.6
  Bottom w0.2: U0.40 127.94,101.05 108.57,101.05 106.85,102.77 106.85,115.49 109.46,118.1 J2.1 113.96,116.95 113.96,115.08 113.24,114.36 110.43,114.36 110.05,114.74 108.88,114.74 J3.3
29/A3: length 39.5
  Bottom w0.2: U0.41 108.73,101.45 107.25,102.93 107.25,115.25 107.74,115.74 J3.4 110.32,115.74 110.5,115.56 J2.2
CLOCK: length 11.2
  Bottom w0.2: U2.6 130.5,110.27 130.5,107.81 130.78,107.52 132.69,107.52 133.24,106.97 133.24,104.64 132.38,103.78 U0.52
col0: length 76
  Top w0.25: K1.1 16.22,34.38 K65.1
col1: length 76.2
  Top w0.25: K66.1 K2.1
col2: length 76.2
  Top w0.25: K3.1 K67.1
col3: length 76.1
  Top w0.25: K4.1 72.54,24.63 72.02,24.26
col4: length 57.1
  Top w0.25: K5.1 K53.1
col5: length 80.1
  Top w0.25: K6.1 K54.1 112.08,29.47 101.04,21.74 K69.1
col6: length 80.1
  Top w0.25: K7.1 K55.1 155.55,29.68 166.59,21.96 K70.1
col7: length 57.1
  Top w0.25: K56.1 K8.1
col8: length 76.2
  Top w0.25: K71.1 K9.1
col9: length 76.2
  Top w0.25: K10.1 K72.1
colA: length 76.2
  Top w0.25: K73.1 K11.1
colB: length 76.2
  Top w0.25: K12.1 K74.1
colC: length 76.2
  Top w0.25: K13.1 K29.1 K75.1
colD: length 76.2
  Top w0.25: K76.1 K30.1 K14.1
colE: length 76.2
  Top w0.25: K15.1 K31.1 K77.1
colF: length 76.2
  Top w0.25: K78.1 K32.1 K16.1
CS: length 19.1
  Bottom w0.2: U0.56 133.98,103.12 134.84,103.98 134.84,106.71 135.76,107.63 RF2.1 139.78,107.76 139.78,108.67 138.1,110.35 138.1,111.43 ; 138.1,111.43 138.1,112.19 136.75,113.53 U2.1 ; 138.1,111.43 138.1,113.35 RF1.2
D+: length 4.9
  Bottom w0.2: 170.02,112.26 170.02,113.84 169.82,114.04 ; 169.82,114.04 J1.B6 ; 169.82,114.04 169.77,113.99 168.87,113.99 168.82,114.04 J1.A6
D-: length 5.8
  Bottom w0.2: J1.A7 169.32,115.99 169.27,116.04 168.37,116.04 168.32,115.99 J1.B7 168.32,113.55 168.12,113.35 168.12,112.26
DB+: length 53.4
  Bottom w0.2: RD1.1 128.86,109.11 128.86,110.16 128.69,110.34 128.69,113.89 130.92,116.12 131.98,116.12 133.06,115.04 133.06,115.03 154.91,115.03 162.78,107.15 167.18,107.15 168.68,108.65 169.61,108.65 170.02,109.06 U3.1
DB-: length 52
  Bottom w0.2: U3.3 168.12,108.72 167,107.6 162.97,107.6 155.1,115.48 133.19,115.48 132.14,116.52 130.68,116.52 128.24,114.08 128.24,110.15 128.46,109.93 RD2.1
DR+: length 5.9
  Bottom w0.2: U0.47 130.38,104.26 130.43,104.31 130.43,105.91 ; 129.48,107.53 129.51,107.53 130.43,106.61 130.43,105.91 ; 130.43,105.91 130.43,106.59
DR-: length 5.8
  Bottom w0.2: U0.46 129.98,104.43 130.03,104.48 130.03,106.44 129.8,106.67 129.32,106.67 128.46,107.53
row0: length 306.8
  Bottom w0.25: D16.1 D13.1 238.6,100.75 D12.1 D7.1 119.04,83.06 D6.1 D1.1
row1: length 310
  Bottom w0.25: D17.1 D22.1 146.95,64.29 D23.1 D28.1 241.52,81.61 D29.1 271.64,81.7 D32.1
row2: length 313.2
  Bottom w0.25: D48.1 271.52,62.65 ; D33.1 D38.1 112.43,45.54 D39.1 D44.1 244.64,62.65 D45.1
row3: length 316.4
  Bottom w0.25: 109.11,26.78 D54.1 ; D54.1 153.56,26.77 D55.1 D60.1 247.66,43.6 D61.1 D64.1 ; D54.1 D49.1
row4: length 318.9
  Bottom w0.25: D69.1 96.46,9.67 D70.1 250.34,24.5 ; D65.1 96.38,9.67 ; D74.1 250.69,24.55 D75.1 D78.1
SD0: length 9.8
  Bottom w0.2: U2.5 131.19,109.72 130.9,109.43 130.9,107.99 130.96,107.92 132.86,107.92 133.64,107.14 133.64,104.48 132.78,103.62 U0.53
SD1: length 12.5
  Bottom w0.2: U0.55 133.58,103.29 134.44,104.14 134.44,107.21 135.86,108.63 137.13,108.63 137.7,109.19 137.7,111.19 U2.2
SD2: length 11
  Bottom w0.2: U2.3 137.3,110.32 137.3,109.36 136.97,109.03 135.7,109.03 134.04,107.37 134.04,104.31 133.18,103.45 U0.54
SD3: length 12.7
  Bottom w0.2: U2.7 130.1,111.14 130.1,107.65 130.62,107.12 132.52,107.12 132.84,106.81 132.84,104.81 131.98,103.95 U0.51
vUSB: length 13.7
  Top w0.5: v2(171.45,112.71) 165.89,112.71 v2(165.89,112.71)
  Bottom w0.5: 162.72,112.71 v2(165.89,112.71) 166.62,113.44 J1.A4 ; v2(171.45,112.71) 171.52,112.78 J1.A9
XIN: length 8.9
  Bottom w0.2: CX2.2 134.41,89.76 Y1.1 132.94,89.76 132.84,89.86 132.84,93.16 131.98,94.02 131.98,95.81 U0.20
XOUT: length 2.3
  Bottom w0.2: U0.21 131.58,93.49 RX1.1
XOUT1: length 3.1
  Bottom w0.2: CX1.1 131.67,91.45 Y1.3 131.57,91.55 RX1.2
~{RESET}: length 25.6
  Top w0.2: v1(126.94,108.39) 127.95,107.38 v1(127.95,94.04)
  Bottom w0.2: v1(127.95,94.04) 128.51,93.48 RR1.2 129.58,94.55 U0.26 ; S1.2 126.94,109.14 v1(126.94,108.39)
  Bottom w0.3: S1.2 S1.2
Net-(D1-Pad2): length 7.6
  Bottom w0.25: D1.2 25.43,100.98 22.31,105.43 K1.2
Net-(D2-Pad2): length 7.6
  Bottom w0.25: D2.2 44.19,97.67 41.07,102.13 K2.2
Net-(D3-Pad2): length 7.6
  Bottom w0.25: D3.2 62.95,94.36 59.83,98.82 K3.2
Net-(D4-Pad2): length 7.6
  Bottom w0.25: K4.2 78.59,95.51 81.71,91.05 D4.2
Net-(D5-Pad2): length 7.6
  Bottom w0.25: K5.2 97.35,92.2 100.47,87.75 D5.2
Net-(D6-Pad2): length 7.6
  Bottom w0.25: K6.2 116.11,88.89 119.23,84.44 D6.2
Net-(D7-Pad2): length 7.6
  Bottom w0.25: K7.2 138.9,87.55 143.36,84.43 D7.2
Net-(D8-Pad2): length 7.6
  Bottom w0.25: D8.2 162.12,87.74 157.66,90.86 K8.2
Net-(D9-Pad2): length 7.6
  Bottom w0.25: D9.2 180.88,91.05 176.42,94.17 K9.2
Net-(D10-Pad2): length 7.6
  Bottom w0.25: K10.2 195.18,97.47 199.64,94.35 D10.2
Net-(D11-Pad2): length 7.6
  Bottom w0.25: D11.2 218.4,97.66 213.94,100.78 K11.2
Net-(D12-Pad2): length 7.6
  Bottom w0.25: K12.2 232.7,104.09 237.16,100.97 D12.2
Net-(D13-Pad2): length 7.6
  Bottom w0.25: K13.2 267.65,106 271.5,102.15 D13.2
Net-(D14-Pad2): length 7.6
  Bottom w0.25: K14.2 286.7,106 290.55,102.15 D14.2
Net-(D15-Pad2): length 7.6
  Bottom w0.25: D15.2 309.6,102.15 305.75,106 K15.2
Net-(D16-Pad2): length 7.6
  Bottom w0.25: D16.2 328.65,102.15 324.8,106 K16.2
Net-(D17-Pad2): length 7.6
  Bottom w0.25: K17.2 19,86.67 22.12,82.22 D17.2
Net-(D18-Pad2): length 7.6
  Bottom w0.25: D18.2 40.88,78.91 37.76,83.37 K18.2
Net-(D19-Pad2): length 7.6
  Bottom w0.25: D19.2 59.64,75.6 56.52,80.06 K19.2
Net-(D20-Pad2): length 7.6
  Bottom w0.25: K20.2 75.28,76.75 78.4,72.29 D20.2
Net-(D21-Pad2): length 7.6
  Bottom w0.25: D21.2 97.16,68.99 94.04,73.44 K21.2
Net-(D22-Pad2): length 8
  Bottom w0.25: K22.2 112.61,70.41 115.92,65.68 D22.2
Net-(D23-Pad2): length 7.6
  Bottom w0.25: K23.2 142.21,68.79 146.66,65.67 D23.2
Net-(D24-Pad2): length 7.6
  Bottom w0.25: D24.2 165.42,68.98 160.97,72.1 K24.2
Net-(D25-Pad2): length 7.6
  Bottom w0.25: K25.2 179.73,75.41 184.18,72.29 D25.2
Net-(D26-Pad2): length 7.6
  Bottom w0.25: K26.2 198.49,78.71 202.94,75.59 D26.2
Net-(D27-Pad2): length 7.6
  Bottom w0.25: D27.2 221.71,78.9 217.25,82.02 K27.2
Net-(D28-Pad2): length 7.6
  Bottom w0.25: D28.2 240.47,82.21 236.01,85.33 K28.2
Net-(D29-Pad2): length 7.7
  Bottom w0.25: K29.2 267.65,86.9 D29.2
Net-(D30-Pad2): length 7.6
  Bottom w0.25: D30.2 290.55,83.1 286.7,86.95 K30.2
Net-(D31-Pad2): length 7.6
  Bottom w0.25: D31.2 309.6,83.1 305.75,86.95 K31.2
Net-(D32-Pad2): length 7.6
  Bottom w0.25: D32.2 328.65,83.1 324.8,86.95 K32.2
Net-(D34-Pad2): length 7.6
  Bottom w0.25: D34.2 37.57,60.15 34.45,64.61 K34.2
Net-(D35-Pad2): length 7.6
  Bottom w0.25: K35.2 53.21,61.3 56.33,56.84 D35.2
Net-(D36-Pad2): length 7.6
  Bottom w0.25: K36.2 71.97,57.99 75.09,53.53 D36.2
Net-(D37-Pad2): length 7.6
  Bottom w0.25: K37.2 90.73,54.68 93.85,50.23 D37.2
Net-(D38-Pad2): length 7.6
  Bottom w0.25: D38.2 112.61,46.92 109.49,51.37 K38.2
Net-(D39-Pad2): length 7.6
  Bottom w0.25: K39.2 145.52,50.03 149.97,46.91 D39.2
Net-(D40-Pad2): length 7.6
  Bottom w0.25: D40.2 168.73,50.22 164.28,53.34 K40.2
Net-(D41-Pad2): length 7.6
  Bottom w0.25: D41.2 187.49,53.52 183.04,56.64 K41.2
Net-(D42-Pad2): length 7.6
  Bottom w0.25: K42.2 201.8,59.95 206.25,56.83 D42.2
Net-(D43-Pad2): length 7.6
  Bottom w0.25: K43.2 220.56,63.26 225.01,60.14 D43.2
Net-(D44-Pad2): length 7.6
  Bottom w0.25: K44.2 239.32,66.57 243.77,63.45 D44.2
Net-(D45-Pad2): length 7.6
  Bottom w0.25: K45.2 267.65,67.9 271.5,64.05 D45.2
Net-(D46-Pad2): length 7.6
  Bottom w0.25: D46.2 290.55,64.05 286.7,67.9 K46.2
Net-(D47-Pad2): length 7.6
  Bottom w0.25: K47.2 305.75,67.9 309.6,64.05 D47.2
Net-(D48-Pad2): length 7.6
  Bottom w0.25: K48.2 324.8,67.9 328.65,64.05 D48.2
Net-(D49-Pad2): length 7.6
  Bottom w0.25: K49.2 12.38,49.15 15.5,44.7 D49.2
Net-(D50-Pad2): length 7.6
  Bottom w0.25: D50.2 34.26,41.39 31.14,45.84 K50.2
Net-(D51-Pad2): length 7.6
  Bottom w0.25: D51.2 53.02,38.08 49.9,42.54 K51.2
Net-(D53-Pad2): length 7.6
  Bottom w0.25: K53.2 87.42,35.92 90.54,31.47 D53.2
Net-(D54-Pad2): length 7.6
  Bottom w0.25: D54.2 109.3,28.16 106.18,32.61 K54.2
Net-(D55-Pad2): length 7.6
  Bottom w0.25: K55.2 148.82,31.27 153.28,28.15 D55.2
Net-(D56-Pad2): length 7.6
  Bottom w0.25: K56.2 167.58,34.58 172.04,31.46 D56.2
Net-(D57-Pad2): length 7.6
  Bottom w0.25: D57.2 190.8,34.76 186.34,37.88 K57.2
Net-(D58-Pad2): length 7.6
  Bottom w0.25: D58.2 209.56,38.07 205.11,41.19 K58.2
Net-(D59-Pad2): length 7.6
  Bottom w0.25: K59.2 223.87,44.5 228.32,41.38 D59.2
Net-(D60-Pad2): length 7.7
  Bottom w0.25: D60.2 246.86,44.65 242.67,47.58 K60.2
Net-(D61-Pad2): length 7.6
  Bottom w0.25: K61.2 267.65,48.85 271.5,45 D61.2
Net-(D62-Pad2): length 7.6
  Bottom w0.25: K62.2 286.7,48.85 290.55,45 D62.2
Net-(D63-Pad2): length 7.6
  Bottom w0.25: K63.2 305.75,48.85 309.6,45 D63.2
Net-(D64-Pad2): length 7.6
  Bottom w0.25: K64.2 324.8,48.85 328.65,45 D64.2
Net-(D65-Pad2): length 8
  Bottom w0.25: K65.2 8.88,30.67 12.19,25.94 D65.2
Net-(D66-Pad2): length 7.6
  Bottom w0.25: K66.2 27.83,27.08 30.95,22.63 D66.2
Net-(D67-Pad2): length 7.6
  Bottom w0.25: K67.2 46.59,23.78 49.71,19.32 D67.2
Net-(D68-Pad2): length 7.6
  Bottom w0.25: 68.48,16.01 65.36,20.46 65.72,22.54 ; 65.71,22.54 K68.2
Net-(D69-Pad2): length 7.9
  Bottom w0.25: K69.2 93.41,15 96.08,11.19 D69.2
Net-(D70-Pad2): length 7.6
  Bottom w0.25: D70.2 165.97,11.04 161.51,14.16 K70.2
Net-(D71-Pad2): length 7.6
  Bottom w0.25: D71.2 194.11,16 189.65,19.12 K71.2
Net-(D72-Pad2): length 7.6
  Bottom w0.25: D72.2 212.87,19.31 208.41,22.43 K72.2
Net-(D73-Pad2): length 7.6
  Bottom w0.25: K73.2 227.17,25.74 231.63,22.62 D73.2
Net-(D74-Pad2): length 7.6
  Bottom w0.25: K74.2 245.93,29.05 250.39,25.93 D74.2
Net-(D75-Pad2): length 7.6
  Bottom w0.25: K75.2 267.65,29.8 271.5,25.95 D75.2
Net-(D76-Pad2): length 7.6
  Bottom w0.25: K76.2 286.7,29.8 290.55,25.95 D76.2
Net-(D77-Pad2): length 7.6
  Bottom w0.25: K77.2 305.75,29.8 309.6,25.95 D77.2
Net-(D78-Pad2): length 7.6
  Bottom w0.25: D78.2 328.65,25.95 324.8,29.8 K78.2
Net-(J1-PadA5): length 7.8
  Bottom w0.3: RC2.1 163.03,119.55 164.31,118.27 165.89,118.27 167.82,116.34 J1.A5
Net-(J1-PadB5): length 7.3
  Bottom w0.3: RC1.2 175.11,119.55 173.83,118.27 172.74,118.27 170.82,116.35 J1.B5
Net-(RF2-Pad2): length 7.9
  Bottom w0.2: S2.2 S2.2 140.88,109.24 RF2.2

## Copper pours and planes (outline as drawn; the poured copper is in the pictures)
GND on Top, Bottom: 338.14,0 0,0 0,121.44 338.14,121.44

## Text on the board
F.Silkscreen: OLED Display SSD1306
